# Altium PCB Cyberdeck.PcbDoc (part 2 of 2) (continued)
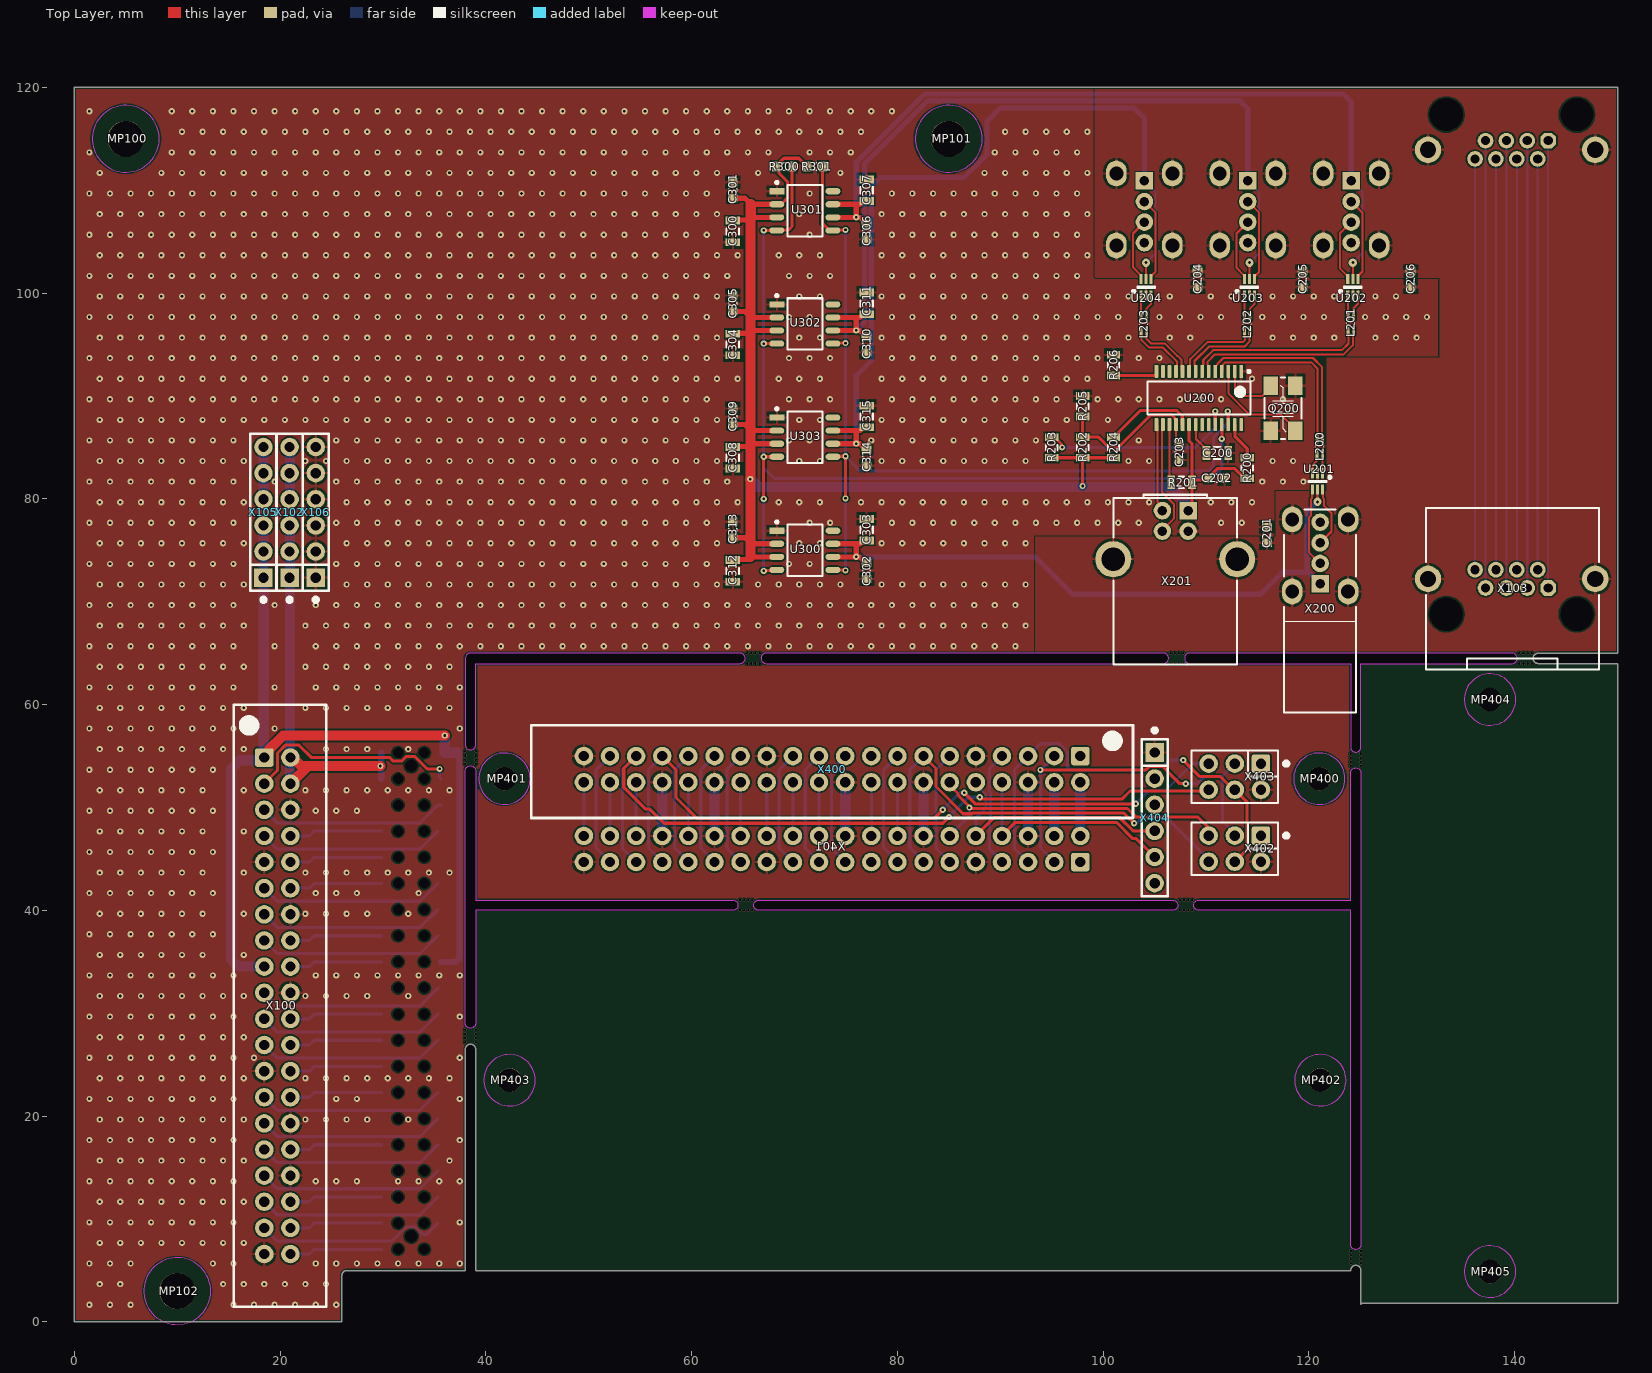
[diagram p0: Top Layer view]
## Nets (pads, with @x,y where several pads share a name; then routed paths per layer and width w, separated by ;. In a path a pad name is that pad's centre, name@x,y a point inside that pad or via, vN(x,y) a via of type N, cw(c..) or ccw(c..) an arc to the next point about the centre after c; other vN are vias at no path point) (continued)
NetL202_3: L202.3 U203.1 | length 2
  Top Layer w0.2: U203.1@113.714,99.77 113.72,99.764 113.72,97.776 L202.3@113.727,97.77
NetL203_2: L203.2 U204.3 | length 2.2
  Top Layer w0.2: L203.2@104.225,97.77 104.225,98.516 104.662,98.954 U204.3@104.662,99.77
NetL203_3: L203.3 U204.1 | length 2
  Top Layer w0.2: U204.1@103.663,99.77 103.669,99.764 103.669,97.776 L203.3@103.675,97.77
NetR200_1: R200.1 U200.27 | length 3.7
  Top Layer w0.3: U200.27@112.792,87.21 112.792,86.09 114,84.883 R200.1@114,84
NetR201_1: R201.1 U200.17 | length 5.8
  Top Layer w0.2: U200.17@106.442,87.21 106.442,82.005 R201.1@106.847,81.6
NetR203_1: R203.1 U200.24 | length 20.1
  Top Layer w0.3: R203.1@95,86 95.275,86 95.943,85.332 95.943,85.057 v1(96,85) ; U200.24@110.887,87.21 v1(110.887,88.5)
  Bottom Layer w0.3: v1(96,85) 108.945,85 110.887,86.942 v1(110.887,88.5)
NetR204_2: R204.2 U200.19 | length 8.9
  Top Layer w0.3: R204.2@101,86 103.595,88.595 107.163,88.595 107.682,88.075 107.682,87.24 U200.19@107.712,87.21
NetR206_1: R206.1 U200.14 | length 4.5
  Top Layer w0.3: R206.1@101,92 105.142,92 105.172,92.03 U200.14@105.172,92.39
NetU201_4: U201.4 X200.2 | length 7.8
  Top Layer w0.2: U201.4@120.328,80.9 120.301,80.873 120.301,80.105 120.178,79.982 120.178,78.373 119.99,78.186 119.99,74.83 X200.2@121.09,73.73
NetU201_6: U201.6 X200.3 | length 6
  Top Layer w0.2: X200.3@121.09,75.73 122.19,76.83 122.19,78.61 121.478,79.322 121.478,79.982 121.354,80.105 121.354,80.873 U201.6@121.328,80.9
NetU202_4: U202.4 X202.2 | length 8.2
  Top Layer w0.2: X202.2@124.103,108.9 125.203,107.8 125.203,102.1 124.766,101.662 U202.4@124.766,101.37
NetU202_6: U202.6 X202.3 | length 6.3
  Top Layer w0.2: U202.6@123.766,101.37 123.766,101.638 123.003,102.4 123.003,105.8 X202.3@124.103,106.9
NetU203_4: U203.4 X203.2 | length 8.2
  Top Layer w0.2: X203.2@114.052,108.9 115.152,107.8 115.152,102.052 114.714,101.614 U203.4@114.714,101.37
NetU203_6: U203.6 X203.3 | length 6.3
  Top Layer w0.2: U203.6@113.714,101.37 113.714,101.686 112.952,102.448 112.952,105.8 X203.3@114.052,106.9
NetU204_4: U204.4 X204.2 | length 8.2
  Top Layer w0.2: X204.2@104,108.9 105.1,107.8 105.1,102.1 104.662,101.662 U204.4@104.662,101.37
NetU204_6: U204.6 X204.3 | length 6.3
  Top Layer w0.2: U204.6@103.663,101.37 103.663,101.737 102.9,102.5 102.9,105.8 X204.3@104,106.9
NetX103_1: X103.1 X104.1 | length 43.5
  Bottom Layer w0.2: X103.1@143.25,71.34 X104.1@143.25,114.82
NetX103_2: X103.2 X104.2 | length 39.9
  Bottom Layer w0.2: X103.2@142.23,73.12 X104.2@142.23,113.04
NetX103_3: X103.3 X104.3 | length 43.5
  Bottom Layer w0.2: X103.3@141.22,71.34 141.218,71.342 141.218,114.818 X104.3@141.22,114.82
NetX103_4: X103.4 X104.4 | length 39.9
  Bottom Layer w0.2: X103.4@140.2,73.12 X104.4@140.2,113.04
NetX103_5: X103.5 X104.5 | length 43.5
  Bottom Layer w0.2: X103.5@139.19,71.34 139.188,71.342 139.188,114.818 X104.5@139.19,114.82
NetX103_6: X103.6 X104.6 | length 39.9
  Bottom Layer w0.2: X103.6@138.17,73.12 X104.6@138.17,113.04
NetX103_7: X103.7 X104.7 | length 43.5
  Bottom Layer w0.2: X103.7@137.16,71.34 137.158,71.342 137.158,114.818 X104.7@137.16,114.82
NetX103_8: X103.8 X104.8 | length 39.9
  Bottom Layer w0.2: X103.8@136.14,73.12 X104.8@136.14,113.04
NetX400_2: X400.2 X401.2 | length 5.2
  Bottom Layer w1: X401.2@97.78,47.27 X400.2@97.78,52.46
NetX400_4: X400.4 X401.4 | length 5.2
  Bottom Layer w1: X401.4@95.24,47.27 X400.4@95.24,52.46
NetX400_16: X400.16 X401.16 | length 5.2
  Bottom Layer w0.3: X401.16@80,47.27 X400.16@80,52.46
NetX400_18: X400.18 X401.18 | length 5.2
  Bottom Layer w0.3: X401.18@77.46,47.27 X400.18@77.46,52.46
NetX400_22: X400.22 X401.22 | length 5.2
  Bottom Layer w0.3: X401.22@72.38,47.27 X400.22@72.38,52.46
NetX400_24: X400.24 X401.24 | length 5.2
  Bottom Layer w0.3: X401.24@69.84,47.27 X400.24@69.84,52.46
NetX400_26: X400.26 X401.26 | length 5.2
  Bottom Layer w0.3: X401.26@67.3,47.27 X400.26@67.3,52.46
NetX400_28: X400.28 X401.28 | length 5.2
  Bottom Layer w0.3: X401.28@64.76,47.27 X400.28@64.76,52.46
NetX400_32: X400.32 X401.32 | length 5.2
  Bottom Layer w0.3: X401.32@59.68,47.27 X400.32@59.68,52.46
NetX400_36: X400.36 X401.36 | length 5.2
  Bottom Layer w0.3: X401.36@54.6,47.27 X400.36@54.6,52.46
NetX400_38: X400.38 X401.38 | length 5.2
  Bottom Layer w0.3: X401.38@52.06,47.27 X400.38@52.06,52.46
NetX400_40: X400.40 X401.40 | length 5.2
  Bottom Layer w0.3: X401.40@49.52,47.27 X400.40@49.52,52.46
nOVC: R301.1 U200.26 U300.5 U301.5 U302.5 U303.5 | length 88.9
  Top Layer w0.3: R301.1@72.775,112.297 72.7,112.222 72.7,106.8 73.405,106.095 U301.5@73.725,106.095 ; U303.5@73.677,84.143 v1(74.952,84.143) v1(74.952,80.048) ; U302.5@73.677,95.143 v1(74.952,95.143) ; U301.5@73.677,106.143 v1(74.952,106.143) ; U300.5@73.725,73.095 v1@74.905,73.095 ; v1(112.1,88.5) 112.004,88.5 111.982,88.477 112.157,88.302 U200.26@112.157,87.21
  Bottom Layer w0.3: v1(74.952,73.047) v1(74.952,80.048) ; v1(74.952,106.143) v1(74.952,95.143) v1(74.952,84.143) 76.395,82.7 110.252,82.7 110.7,83.147 110.7,85.95 112.1,87.35 v1(112.1,88.5)
RaspiB_3: X100.3 X101.3 | length 21.9
  Top Layer w0.3: X100.3@18.46,52.32 19.75,53.61 19.75,55.307 20.503,56.06 21.83,56.06 23.017,54.873 30.634,54.873 30.997,54.51 31.796,54.51 32.236,54.95 33.103,54.95 34.303,53.75 v1(35.5,53.75)
  Bottom Layer w0.3: v1(35.5,53.75) 35.5,52.91 X101.3@35.63,52.78
RaspiB_5: X100.5 X101.5 | length 18.4
  Bottom Layer w0.3: X100.5@18.46,49.78 19.73,48.51 33.6,48.51 35.33,50.24 X101.5@35.63,50.24
RaspiB_7: X100.7 X101.7 | length 18.1
  Bottom Layer w0.3: X100.7@18.46,47.24 19.73,45.97 33.6,45.97 X101.7@35.33,47.7
RaspiB_8: X100.8 X101.8 | length 9
  Bottom Layer w0.3: X100.8@21,47.24 22.85,47.24 23.31,47.7 X101.8@29.83,47.7
RaspiB_10: X100.10 X101.10 | length 9
  Bottom Layer w0.3: X100.10@21,44.7 22.85,44.7 23.31,45.16 X101.10@29.83,45.16
RaspiB_11: X100.11 X101.11 | length 18.1
  Bottom Layer w0.3: X100.11@18.46,42.16 19.73,40.89 33.6,40.89 X101.11@35.33,42.62
RaspiB_12: X100.12 X101.12 | length 9
  Bottom Layer w0.3: X100.12@21,42.16 22.85,42.16 23.31,42.62 X101.12@29.83,42.62
RaspiB_13: X100.13 X101.13 | length 18.1
  Bottom Layer w0.3: X100.13@18.46,39.62 19.73,38.35 33.6,38.35 X101.13@35.33,40.08
RaspiB_15: X100.15 X101.15 | length 18.1
  Bottom Layer w0.3: X100.15@18.46,37.08 19.73,35.81 33.6,35.81 X101.15@35.33,37.54
RaspiB_16: X100.16 X101.16 | length 9
  Bottom Layer w0.3: X100.16@21,37.08 22.85,37.08 23.31,37.54 X101.16@29.83,37.54
RaspiB_18: X100.18 X101.18 | length 9
  Bottom Layer w0.3: X100.18@21,34.54 22.85,34.54 23.31,35 X101.18@29.83,35
RaspiB_19: X100.19 X101.19 | length 18.1
  Bottom Layer w0.3: X100.19@18.46,32 19.73,30.73 33.6,30.73 X101.19@35.33,32.46
RaspiB_21: X100.21 X101.21 | length 18.1
  Bottom Layer w0.3: X100.21@18.46,29.46 19.73,28.19 33.6,28.19 X101.21@35.33,29.92
RaspiB_22: X100.22 X101.22 | length 9
  Bottom Layer w0.3: X100.22@21,29.46 22.85,29.46 23.31,29.92 X101.22@29.83,29.92
RaspiB_23: X100.23 X101.23 | length 18.1
  Bottom Layer w0.3: X100.23@18.46,26.92 19.73,25.65 33.6,25.65 X101.23@35.33,27.38
RaspiB_24: X100.24 X101.24 | length 9
  Bottom Layer w0.3: X100.24@21,26.92 22.85,26.92 23.31,27.38 X101.24@29.83,27.38
RaspiB_26: X100.26 X101.26 | length 9
  Bottom Layer w0.3: X100.26@21,24.38 22.85,24.38 23.31,24.84 X101.26@29.83,24.84
RaspiB_27: X100.27 X101.27 | length 18.1
  Bottom Layer w0.3: X100.27@18.46,21.84 19.73,20.57 33.6,20.57 X101.27@35.33,22.3
RaspiB_28: X100.28 X101.28 | length 9
  Bottom Layer w0.3: X100.28@21,21.84 22.85,21.84 23.31,22.3 X101.28@29.83,22.3
RaspiB_29: X100.29 X101.29 | length 18.1
  Bottom Layer w0.3: X100.29@18.46,19.3 19.73,18.03 33.6,18.03 X101.29@35.33,19.76
RaspiB_31: X100.31 X101.31 | length 18.1
  Bottom Layer w0.3: X100.31@18.46,16.76 19.73,15.49 33.6,15.49 X101.31@35.33,17.22
RaspiB_32: X100.32 X101.32 | length 9
  Bottom Layer w0.3: X100.32@21,16.76 22.85,16.76 23.31,17.22 X101.32@29.83,17.22
RaspiB_33: X100.33 X101.33 | length 18.1
  Bottom Layer w0.3: X100.33@18.46,14.22 19.73,12.95 33.6,12.95 X101.33@35.33,14.68
RaspiB_35: X100.35 X101.35 | length 18.1
  Bottom Layer w0.3: X100.35@18.46,11.68 19.73,10.41 33.6,10.41 X101.35@35.33,12.14
RaspiB_36: X100.36 X101.36 | length 9
  Bottom Layer w0.3: X100.36@21,11.68 22.85,11.68 23.31,12.14 X101.36@29.83,12.14
RaspiB_37: X100.37 X101.37 | length 18.7
  Bottom Layer w0.3: X100.37@18.46,9.14 19.73,7.87 30.876,7.87 32.236,9.23 33.145,9.23 33.855,8.52 34.25,8.52 X101.37@35.33,9.6
RaspiB_38: X100.38 X101.38 | length 9
  Bottom Layer w0.3: X100.38@21,9.14 22.85,9.14 23.31,9.6 X101.38@29.83,9.6
RaspiB_40: X100.40 X101.40 | length 9
  Bottom Layer w0.3: X100.40@21,6.6 22.85,6.6 23.31,7.06 X101.40@29.83,7.06
RaspiBB_7: X400.7 X401.7 | length 11.3
  Bottom Layer w0.3: X401.7@90.16,44.73 88.96,45.93 88.96,48.84 89.05,48.93 89.05,51.435 88.96,51.525 88.96,53.8 X400.7@90.16,55
RaspiBB_11: X400.11 X401.11 | length 11.4
  Bottom Layer w0.3: X401.11@85.08,44.73 83.74,46.07 83.74,53.66 X400.11@85.08,55
RaspiBB_12: X400.12 X401.12 X402.5 | length 32
  Top Layer w0.3: X400.12@85.08,52.46 85.08,52.174 85.892,51.362 85.892,51.186 87.165,49.913 102.366,49.913 103.208,49.07 109.216,49.07 110.252,48.033 X402.5@110.252,47.27 X402.5@110.48,47.27
  Bottom Layer w0.3: X401.12@85.16,47.05 85.16,47.35 87,49.19 v1(87,50)
RaspiBB_13: X400.13 X401.13 X402.6 | length 45.2
  Top Layer w0.3: X400.13@82.54,55 83.74,53.8 83.74,52.04 86.38,49.4 87.249,49.4 87.311,49.463 102.007,49.463 v1(103,48.47)
  Bottom Layer w0.3: X401.13@82.54,44.73 81.2,46.07 81.2,53.66 X400.13@82.54,55 ; v1(103,48.47) 103.25,48.47 103.85,49.07 106.14,49.07 X402.6@110.48,44.73
RaspiBB_15: X400.15 X401.15 | length 11.4
  Bottom Layer w0.3: X401.15@80,44.73 78.66,46.07 78.66,53.66 X400.15@80,55
RaspiBB_19: X400.19 X401.19 | length 11.4
  Bottom Layer w0.3: X401.19@74.92,44.73 73.58,46.07 73.58,53.66 X400.19@74.92,55
RaspiBB_21: X400.21 X401.21 | length 11.4
  Bottom Layer w0.3: X401.21@72.38,44.73 71.04,46.07 71.04,53.66 X400.21@72.38,55
RaspiBB_23: X400.23 X401.23 | length 11.4
  Bottom Layer w0.3: X401.23@69.84,44.73 68.5,46.07 68.5,53.66 X400.23@69.84,55
RaspiBB_27: X400.27 X401.27 | length 11.4
  Bottom Layer w0.3: X401.27@64.76,44.73 63.42,46.07 63.42,53.66 X400.27@64.76,55
RaspiBB_29: X400.29 X401.29 | length 11.4
  Bottom Layer w0.3: X401.29@62.22,44.73 60.88,46.07 60.88,53.66 X400.29@62.22,55
RaspiBB_31: X400.31 X401.31 | length 11.4
  Bottom Layer w0.3: X401.31@59.68,44.73 58.34,46.07 58.34,53.66 X400.31@59.68,55
RaspiBB_33: X400.33 X401.33 X403.5 | length 71.7
  Top Layer w0.3: X400.33@57.14,55 58.48,53.66 58.48,50.98 60.54,48.92 83.54,48.92 v1(84.4,49.78) ; v1(86.492,51.435) 87.564,50.363 v1(103.157,50.363)
  Bottom Layer w0.3: X401.33@57.14,44.73 55.8,46.07 55.8,53.66 X400.33@57.14,55 ; v1(84.4,49.78) 86.055,51.435 v1(86.492,51.435) ; v1(103.157,50.363) 104.404,51.61 106.011,51.61 108.671,54.27 X403.5@110.252,54.27
RaspiBB_35: X400.35 X401.35 X403.6 | length 74.9
  Top Layer w0.3: X400.35@54.6,55 53.4,53.8 53.4,51.963 55.523,49.84 55.94,49.84 57.31,48.47 84.4,48.47 v1(85,49.07) ; v1(88,51) 88.187,50.813 101.813,50.813 102.61,51.61 110.133,51.61 X403.6@110.252,51.73
  Bottom Layer w0.3: X401.35@54.6,44.73 53.26,46.07 53.26,53.66 X400.35@54.6,55 ; v1(85,49.07) 85,49.095 86.905,51 v1(88,51) ; X403.6@110.133,51.61 X403.6@110.252,51.73
RaspiBB_37: X400.37 X401.37 | length 11.4
  Bottom Layer w0.3: X401.37@52.06,44.73 50.72,46.07 50.72,53.66 X400.37@52.06,55
RXD: X400.10 X401.10 X404.4 | length 24.6
  Top Layer w0.3: X401.10@87.62,47.27 89.363,49.013 101.609,49.013 102.891,47.73 X404.4@105,47.73
  Bottom Layer w0.3: X401.10@87.62,47.27 87.62,48.972 88.6,49.952 88.6,51.249 87.62,52.229 X400.10@87.62,52.46
SCL: X400.5 X401.5 X402.4 X403.4 | length 43.7
  Top Layer w0.3: v1(107.785,54.605) 109.39,53 111.402,53 112.672,51.73 X403.4@112.792,51.73 113.992,50.53 113.992,45.93 X402.4@112.792,44.73 X402.4@113.02,44.73
  Bottom Layer w0.3: X401.5@92.7,44.73 91.36,46.07 91.36,53.66 X400.5@92.7,55 93.9,56.2 95.737,56.2 96.53,55.407 96.53,53.91 96.78,53.66 104.153,53.66 104.503,54.01 105.497,54.01 105.507,54 105.874,54 106.479,54.605 v1(107.785,54.605)
SDA: X400.3 X401.3 X402.3 X403.3 | length 38.3
  Top Layer w0.3: v1(93.9,53.66) 104.153,53.66 104.503,54.01 105.76,54.01 107.45,52.32 v1(108.019,52.32)
  Bottom Layer w0.3: X401.3@95.24,44.73 93.9,46.07 v1(93.9,53.66) X400.3@95.24,55 ; v1(108.019,52.32) 109.145,52.32 109.825,53 111.592,53 ; X403.3@112.792,54.27 111.592,53.07 111.592,53 ; X402.3@113.02,47.27 111.592,48.697 111.592,53
TXD: X400.8 X401.8 X404.5 | length 22
  Top Layer w0.3: X401.8@90.16,47.27 91.453,48.563 101.289,48.563 102.878,46.974 103.216,46.974 X404.5@105,45.19
  Bottom Layer w0.3: X401.8@90.16,47.27 X400.8@90.16,52.46
USB2_1_N: L203.1 U200.10 | length 6.2
  Top Layer w0.2: L203.1@104.225,96.32 104.175,96.27 104.175,95.895 104.16,95.88 104.16,95.595 104.642,95.113 105.981,95.113 107.197,93.897 107.242,93.897 107.605,93.534 107.605,93.042 107.632,93.015 107.632,92.47 U200.10@107.712,92.39
USB2_1_P: L203.4 U200.11 | length 6.2
  Top Layer w0.2: L203.4@103.675,96.32 103.725,96.27 103.725,95.895 103.74,95.88 103.74,95.421 104.468,94.693 105.807,94.693 107.14,93.36 107.185,93.36 107.185,93.042 107.157,93.015 107.157,92.47 U200.11@107.077,92.39
USB2_2_N: L202.1 U200.8 | length 8.2
  Top Layer w0.2: U200.8@108.982,92.39 108.902,92.47 108.902,93.015 108.875,93.042 108.875,93.398 110.292,94.815 113.744,94.815 114.212,95.282 114.212,95.88 114.227,95.895 114.227,96.27 L202.1@114.277,96.32
USB2_2_P: L202.4 U200.9 | length 8.2
  Top Layer w0.2: U200.9@108.347,92.39 108.427,92.47 108.427,93.015 108.455,93.042 108.455,93.572 110.118,95.235 113.57,95.235 113.792,95.456 113.792,95.88 113.777,95.895 113.777,96.27 L202.4@113.727,96.32
USB2_3_N: L201.1 U200.6 | length 17.2
  Top Layer w0.2: U200.6@110.252,92.39 110.172,92.47 110.172,93.015 110.145,93.042 110.145,93.325 110.865,94.045 123.376,94.045 124.263,94.932 124.263,95.88 124.278,95.895 124.278,96.27 L201.1@124.328,96.32
USB2_3_P: L201.4 U200.7 | length 17.2
  Top Layer w0.2: U200.7@109.617,92.39 109.697,92.47 109.697,93.015 109.725,93.042 109.725,93.499 110.691,94.465 123.202,94.465 123.843,95.106 123.843,95.88 123.828,95.895 123.828,96.27 L201.4@123.778,96.32
USB2_4_N: L200.1 U200.4 | length 17.1
  Top Layer w0.2: U200.4@111.522,92.39 111.602,92.47 111.602,93.029 111.849,93.275 120.221,93.275 120.83,92.666 120.83,86.265 120.815,86.25 120.815,85.875 L200.1@120.765,85.825
USB2_4_P: L200.4 U200.5 | length 18.6
  Top Layer w0.2: U200.5@110.887,92.39 110.887,92.845 111.093,93.05 111.093,93.113 111.675,93.695 120.395,93.695 121.25,92.84 121.25,86.265 121.265,86.25 121.265,85.875 L200.4@121.315,85.825
USB2_N: U200.15 X201.2 | length 8.2
  Top Layer w0.2: U200.15@105.172,87.21 105.252,87.13 105.252,86.585 105.28,86.558 105.28,79.731 X201.2@105.75,79.261
USB2_P: U200.16 X201.3 | length 11.3
  Top Layer w0.2: X201.3@105.75,76.855 105.75,76.974 106.863,78.088 106.863,79.507 105.7,80.671 105.7,86.558 105.727,86.585 105.727,87.13 U200.16@105.807,87.21
XCIN: Q200.1 U200.3 | length 10.3
  Top Layer w0.2: U200.3@112.157,92.39 112.157,90.253 114.21,88.2 117.276,88.2 118.676,86.8 Q200.1@118.676,86.6
XCOUT: Q200.3 U200.2 | length 6.3
  Top Layer w0.2: U200.2@112.792,92.39 112.792,90.23 113.023,90 115.476,90 116.276,90.8 Q200.3@116.276,91
pads on no net: MP100.1 MP101.1 MP102.1 MP400.1 MP401.1 MP402.1 MP403.1 MP404.1 MP405.1 U200.12 U200.13 U200.22 U200.23 U200.28 U300.8 U301.8 U302.8 U303.8 X101.51 X103.10 X104.10 X404.2 X404.3 X404.6
copper on no net:
  other v2: 124.05,5.7 125.05,5.7 124.05,6.1 125.05,6.1 124.05,6.5 125.05,6.5 124.05,6.9 125.05,6.9 38,27.2 39,27.2 38,27.6 39,27.6 38,28 39,28 38,28.4 39,28.4 64.7,40 65.1,40 65.5,40 65.9,40 107.45,40 107.85,40 108.25,40 108.65,40 64.7,41 65.1,41 65.5,41 65.9,41 107.45,41 107.85,41 108.25,41 108.65,41 124.05,54.05 125.05,54.05 38,54.26 39,54.26 124.05,54.45 125.05,54.45 38,54.66 39,54.66 124.05,54.85 125.05,54.85 38,55.06 39,55.06 124.05,55.25 125.05,55.25 38,55.46 39,55.46 65.4,64 65.8,64 66.2,64 66.6,64 106.56,64 106.96,64 107.36,64 107.76,64 140.45,64 140.85,64 141.25,64 141.65,64 65.4,65 65.8,65 66.2,65 66.6,65 106.56,65 106.96,65 107.36,65 107.76,65 140.45,65 140.85,65 141.25,65 141.65,65

## Polygon pours and split planes (outlines as drawn)
GND_B on Top Layer "NONET_L-01_P-001" (solid, remove dead copper, pour order 8): 39,64 39,41 124,41 124,64
GND on Top Layer "GND_L01_P003" (solid, remove dead copper, pour order 3): 93.4,76.3 93.4,65 38,65 38.1,64.9 38.1,5 25.8,5 25.9,4.9 25.9,0 0,0 -0.1,0.1 0,0.2 0,76.5 0,120 99.2,120 99.2,109.8 132.7,109.8 132.7,73.9 119.7,73.9 119.7,76.3
FGND on Top Layer "FGND_L01_P000" (solid, pour order 0): 121.75,101.5 132.7,101.5 132.7,93.695 121.75,93.695 121.75,80.75 116.772,80.75 116.772,76.3 114.569,76.3 93.4,76.3 93.4,65 150,65 150,120 99.2,120 99.2,116 99.2,101.5
+3V3_B on Bottom Layer "+3V3_B_L02_P006" (solid, remove dead copper, pour order 6): 39,64 124,64 124,41 39,41
GND on Bottom Layer "NONET_L-01_P-001" (solid, remove dead copper, pour order 10): 0,120 0,0 38,0 38,64.5 38.5,65 150,65 150,120

## Other copper
Bottom Layer:
  region: 92.7,52.46

## Silkscreen, mask and mechanical layers (free items; w line width, h text height)
Top Overlay:
Top Solder:
  text "High-tech, / Low-life" at 11.5,107.9 h10
  text "3V3" at 19.251,86.9 h4 r90
  text "5V" at 21.791,86.9 h4 r90
  text "GND" at 24.331,86.9 h4 r90
  text "USB HUB" at 87.8,83.1 h4 r90
  text "KEYBOARD" at 126,79.4 h4 r45
  text "USB IN" at 97.1,66.2 h4 r90
  text "RASPI" at 33.1,57.5 h4 r90
  text "Userports" at 14.651,11.4 h4 r90
Bottom Solder:
  text "Userports" at 76.1,56.6 h4
  text "UART" at 108.3,53 h4 r90
  text "SAO" at 115.9,48.6 h4
BoardOutline:
  lines w0.2: 39,5 124.05,5 cw(c124.55,5) 125.05,5 125.05,1.7 125.15,1.8 150,1.8 150,64 ; 39,5 39,5 ; 39,5 39,26.5 ccw(c38.5,26.5) 38,26.5 38,5 26.5,5 ccw(c26.5,4.5) 26,4.5 26,0 0,0 0,120 150,120 150,65 142.29,65 ccw(c142.29,64.5) 142.29,64 150,64 ; 125.05,64 139.75,64 ccw(c139.75,64.5) 139.75,65 108.4,65 ccw(c108.4,64.5) 108.4,64 124.05,64 124.05,55.89 ccw(c124.55,55.89) 125.05,55.89 125.05,64 ; 125.05,64 125.05,64 ; 150,64 150,64 ; 38,29.04 ccw(c38.5,29.04) 39,29.04 39,40 64,40 ccw(c64,40.5) 64,41 39,41 39,53.56 ccw(c38.5,53.56) 38,53.56 38,29.04 ; 38,56.1 ccw(c38.5,56.1) 39,56.1 39,64 64.7,64 ccw(c64.7,64.5) 64.7,65 38.5,65 ccw(c38.5,64.5) 38,64.5 38,56.1 ; 66.54,40 cw(c66.54,40.5) 66.54,41 106.75,41 cw(c106.75,40.5) 106.75,40 66.54,40 ; 67.24,64 cw(c67.24,64.5) 67.24,65 105.86,65 cw(c105.86,64.5) 105.86,64 67.24,64 ; 109.29,40 cw(c109.29,40.5) 109.29,41 124.05,41 124.05,53.35 cw(c124.55,53.35) 125.05,53.35 125.05,7.54 cw(c124.55,7.54) 124.05,7.54 124.05,40 109.29,40
HeaderTop:
  lines w0.127: 36.006,138.97 150.306,138.97 ; 36.006,146.59 150.306,146.59 ; 36.006,154.21 74.106,154.21 ; 74.106,131.35 74.106,146.59 74.106,161.83 ; 36.006,131.35 36.006,161.83 ; 36.006,131.35 0.446,131.35 0.446,161.83 36.006,161.83 ; 36.006,131.35 150.306,131.35 150.306,161.83 74.106,161.83 ; 36.006,161.83 74.106,161.83
  text "Erstellt:" at 37.276,159.29 h3
  text "Bezeichnung" at 75.376,159.29 h3
  text "'.Pr_Erstellt'" at 38.546,155.607 h3
  text "Geprüft" at 37.276,151.797 h3
  text "'.Pr_Bezeichnung'" at 76.9,150.4 h8
  text "'.Pr_Geprueft'" at 38.165,147.86 h3
  text "Datum:" at 37.276,144.05 h3
  text "Artikel No.:" at 75.376,144.05 h3
  text ".PRINT_DATE" at 38.546,141.002 h3
  text "'.Pr_Artikel_Nr' Rev: '.Pr_Artikel_Revision'" at 88.976,140.848 h5
  text "Dateiname:" at 37.276,136.43 h3
  text "PCB No.:" at 75.376,136.43 h3
  text ".PCB_FILE_NAME_NO_PATH" at 38.546,133.382 h3
Drill Drawing:
  drawing of 340 lines, arcs and shapes, not listed
  text "Layer" at 156.012,117.454 h1.52
  text "Name" at 166.424,117.454 h1.52
  text "Material" at 190.04,117.454 h1.52
  text "Thickness" at 211.878,117.454 h1.52
  text "Constant" at 228.383,117.454 h1.52
  text "Board Layer Stack" at 242.858,117.454 h1.52
  text "1" at 156.012,114.406 h1.52
  text "Top Overlay" at 166.424,114.406 h1.52
  text "2" at 156.012,111.358 h1.52
  text "Top Solder" at 166.424,111.358 h1.52
  text "Solder Resist" at 190.04,111.358 h1.52
  text "0.40mil" at 211.878,111.358 h1.52
  text "3.5" at 228.383,111.358 h1.52
  text "3" at 156.012,108.31 h1.52
  text "Top Layer" at 166.424,108.31 h1.52
  text "Copper" at 190.04,108.31 h1.52
  text "0.71mil" at 211.878,108.31 h1.52
  text "4" at 156.012,105.262 h1.52
  text "Core" at 166.424,105.262 h1.52
  text "FR-4" at 190.04,105.262 h1.52
  text "59.00mil" at 211.878,105.262 h1.52
  text "4.3" at 228.383,105.262 h1.52
  text "5" at 156.012,102.214 h1.52
  text "Bottom Layer" at 166.424,102.214 h1.52
  text "Copper" at 190.04,102.214 h1.52
  text "0.71mil" at 211.878,102.214 h1.52
  text "6" at 156.012,99.166 h1.52
  text "Bottom Solder" at 166.424,99.166 h1.52
  text "Solder Resist" at 190.04,99.166 h1.52
  text "0.40mil" at 211.878,99.166 h1.52
  text "3.5" at 228.383,99.166 h1.52
  text "7" at 156.012,96.118 h1.52
  text "Bottom Overlay" at 166.424,96.118 h1.52
  text "Symbol" at 155.988,90.333 h1.83
  text "Count" at 168.837,90.333 h1.83
  text "Hole Size" at 185.343,90.333 h1.83
  text "Plated" at 214.544,90.333 h1.83
  text "Hole Type" at 227.394,90.333 h1.83
  text "Drill Layer Pair" at 246.032,90.333 h1.83
  text "Via/Pad" at 284.121,90.333 h1.83
  text "1629" at 168.837,86.523 h1.52
  text "0.250mm (9.84mil)" at 185.343,86.523 h1.52
  text "PTH" at 214.544,86.523 h1.52
  text "Round" at 227.394,86.523 h1.52
  text "Top Layer - Bottom Layer" at 246.032,86.523 h1.52
  text "Via" at 284.121,86.523 h1.52
  text "4" at 168.837,82.713 h1.52
  text "0.300mm (11.81mil)" at 185.343,82.713 h1.52
  text "PTH" at 214.544,82.713 h1.52
  text "Round" at 227.394,82.713 h1.52
  text "Top Layer - Bottom Layer" at 246.032,82.713 h1.52
  text "Via" at 284.121,82.713 h1.52
  text "16" at 168.837,78.903 h1.52
  text "0.890mm (35.04mil)" at 185.343,78.903 h1.52
  text "PTH" at 214.544,78.903 h1.52
  text "Round" at 227.394,78.903 h1.52
  text "Top Layer - Bottom Layer" at 246.032,78.903 h1.52
  text "Pad" at 284.121,78.903 h1.52
  text "20" at 168.837,75.093 h1.52
  text "0.920mm (36.22mil)" at 185.343,75.093 h1.52
  text "PTH" at 214.544,75.093 h1.52
  text "Round" at 227.394,75.093 h1.52
  text "Top Layer - Bottom Layer" at 246.032,75.093 h1.52
  text "Pad" at 284.121,75.093 h1.52
  text "156" at 168.837,71.283 h1.52
  text "1.000mm (39.37mil)" at 185.343,71.283 h1.52
  text "PTH" at 214.544,71.283 h1.52
  text "Round" at 227.394,71.283 h1.52
  text "Top Layer - Bottom Layer" at 246.032,71.283 h1.52
  text "Pad" at 284.121,71.283 h1.52
  text "40" at 168.837,67.473 h1.52
  text "1.020mm (40.16mil)" at 185.343,67.473 h1.52
  text "NPTH" at 214.544,67.473 h1.52
  text "Round" at 227.394,67.473 h1.52
  text "Top Layer - Bottom Layer" at 246.032,67.473 h1.52
  text "Pad" at 284.121,67.473 h1.52
  text "2" at 168.837,63.663 h1.52
  text "1.200mm (47.24mil)" at 185.343,63.663 h1.52
  text "NPTH" at 214.544,63.663 h1.52
  text "Round" at 227.394,63.663 h1.52
  text "Top Layer - Bottom Layer" at 246.032,63.663 h1.52
  text "Pad" at 284.121,63.663 h1.52
  text "16" at 168.837,59.853 h1.52
  text "1.350mm (53.15mil)" at 185.343,59.853 h1.52
  text "PTH" at 214.544,59.853 h1.52
  text "Round" at 227.394,59.853 h1.52
  text "Top Layer - Bottom Layer" at 246.032,59.853 h1.52
  text "Pad" at 284.121,59.853 h1.52
  text "4" at 168.837,56.043 h1.52
  text "1.570mm (61.81mil)" at 185.343,56.043 h1.52
  text "PTH" at 214.544,56.043 h1.52
  text "Round" at 227.394,56.043 h1.52
  text "Top Layer - Bottom Layer" at 246.032,56.043 h1.52
  text "Pad" at 284.121,56.043 h1.52
  text "6" at 168.837,52.233 h1.52
  text "2.300mm (90.55mil)" at 185.343,52.233 h1.52
  text "NPTH" at 214.544,52.233 h1.52
  text "Round" at 227.394,52.233 h1.52
  text "Top Layer - Bottom Layer" at 246.032,52.233 h1.52
  text "Pad" at 284.121,52.233 h1.52
  text "2" at 168.837,48.423 h1.52
  text "2.300mm (90.55mil)" at 185.343,48.423 h1.52
  text "PTH" at 214.544,48.423 h1.52
  text "Round" at 227.394,48.423 h1.52
  text "Top Layer - Bottom Layer" at 246.032,48.423 h1.52
  text "Pad" at 284.121,48.423 h1.52
  text "4" at 168.837,44.613 h1.52
  text "3.250mm (127.95mil)" at 185.343,44.613 h1.52
  text "NPTH" at 214.544,44.613 h1.52
  text "Round" at 227.394,44.613 h1.52
  text "Top Layer - Bottom Layer" at 246.032,44.613 h1.52
  text "Pad" at 284.121,44.613 h1.52
  text "3" at 168.837,40.803 h1.52
  text "3.500mm (137.79mil)" at 185.343,40.803 h1.52
  text "NPTH" at 214.544,40.803 h1.52
  text "Round" at 227.394,40.803 h1.52
  text "Top Layer - Bottom Layer" at 246.032,40.803 h1.52
  text "Pad" at 284.121,40.803 h1.52
  text "1902 Total" at 168.837,36.993 h1.52
  text "Erstellt:" at 190.5,30.242 h3
  text "Bezeichnung" at 228.6,30.242 h3
  text "'.Pr_Erstellt'" at 191.77,26.559 h3
  text "Geprüft" at 190.5,22.749 h3
  text "'.Pr_Bezeichnung'" at 230.124,21.352 h8
  text "'.Pr_Geprueft'" at 191.389,18.812 h3
  text "Datum:" at 190.5,15.002 h3
  text "Artikel No.:" at 228.6,15.002 h3
  text ".PRINT_DATE" at 191.77,11.954 h3
  text "'.Pr_Artikel_Nr' Rev: '.Pr_Artikel_Revision'" at 242.2,11.8 h5
  text "Dateiname:" at 190.5,7.382 h3
  text "Schema No.:" at 228.6,7.382 h3
  text ".PCB_FILE_NAME_NO_PATH" at 191.77,4.334 h3
  text "'.Pr_PCB_Nr' Rev: '.Pr_PCB_Revision'" at 242.327,4.196 h5
HeaderBottom:
  lines w0.127: 0.37,139.122 114.67,139.122 ; 0.37,146.742 114.67,146.742 ; 76.57,131.502 76.57,146.742 76.57,161.982 ; 76.57,154.362 114.67,154.362 ; 76.57,161.982 0.37,161.982 0.37,131.502 114.67,131.502 ; 76.57,161.982 114.67,161.982 ; 114.67,131.502 114.67,161.982 ; 114.67,131.502 150.23,131.502 150.23,161.982 114.67,161.982
  text "Bezeichnung" at 75.3,159.442 h3
  text "Erstellt:" at 113.4,159.442 h3
  text "'.Pr_Erstellt'" at 112.13,155.759 h3
  text "Geprüft" at 113.4,151.949 h3
  text "'.Pr_Bezeichnung'" at 73.776,150.552 h8
  text "'.Pr_Geprueft'" at 112.511,148.012 h3
  text "Artikel No.:" at 75.3,144.202 h3
  text "Datum:" at 113.4,144.202 h3
  text ".PRINT_DATE" at 112.13,141.154 h3
  text "'.Pr_Artikel_Nr' Rev: '.Pr_Artikel_Revision'" at 61.7,141 h5
  text "PCB No.:" at 75.3,136.582 h3
  text "Dateiname:" at 113.4,136.582 h3
  text ".PCB_FILE_NAME_NO_PATH" at 112.13,133.534 h3
  text "'.Pr_PCB_Nr' Rev: '.Pr_PCB_Revision'" at 61.573,133.396 h5

## Dimensions
0,120 to 150,120 on Drill Drawing
0,0 to 0,120 on Drill Drawing